# KiCad board px16_regfile.kicad_pcb (continued)
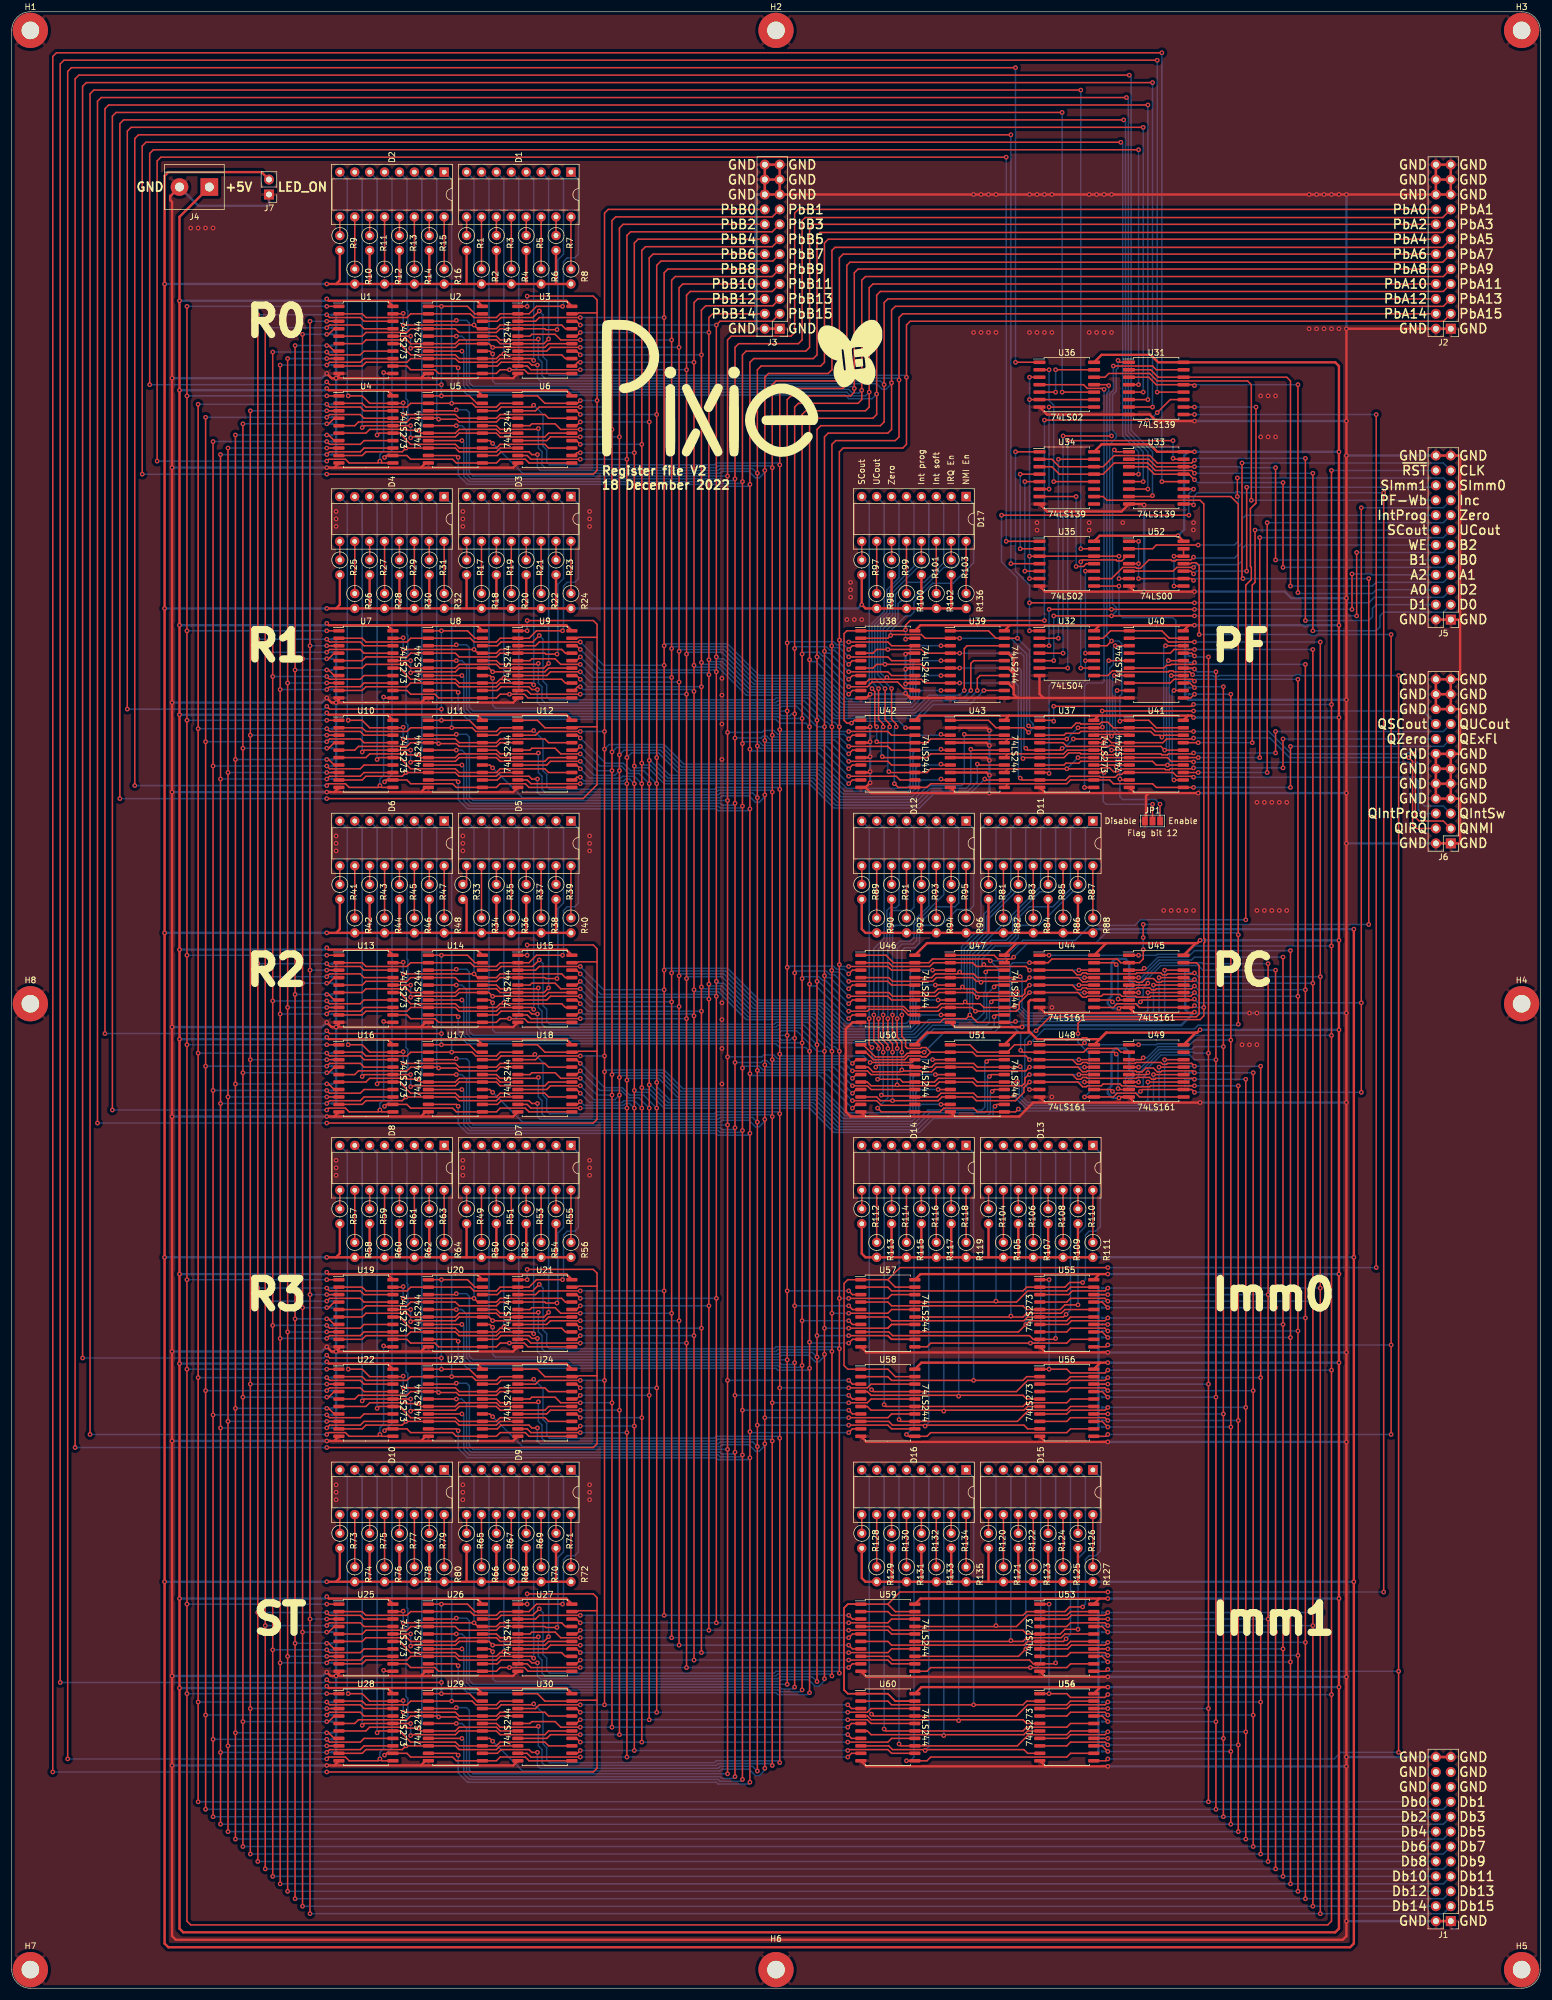
[diagram p0: board, top side]
## Routing (per net, layer and track width the routed paths; a pad name or vN(x,y) marks a point on that pad's centre or on a via; arc(x,y) is an arc through that point) (continued)
/PbA8: length 738.6
  Top w0.25: 80.17,47.62 82.71,47.62 83.35,48.26 88.74,48.26 v1(88.9,48.42) ; 80.17,102.87 82.71,102.87 83.35,103.51 88.71,103.51 v1(88.9,103.7) ; v1(130.81,38.42) v1(130.81,93.66) v1(130.81,102.24) v1(130.81,148.91) v1(130.81,204.15) v1(130.81,214.31) v1(130.81,259.4) 130.81,271.78 131.44,272.42 141.6,272.42 142.24,273.05 142.24,293.37 142.76,293.89 243.72,293.89 J2.11 ; U50.18 153.35,157.64 v1(146.21,157.64) ; v1(88.9,269.56) 88.58,269.24 83.35,269.24 82.71,268.61 80.17,268.61 ; U58.18 146.37,102.87 145.73,102.24 v1(142.56,102.24) ; 80.17,213.36 82.71,213.36 83.35,214 88.74,214 v1(88.9,214.15) ; U42.18 149.86,213.36 149.22,214 v1(142.56,214) ; v1(89.1,159.02) 88.83,158.75 83.35,158.75 82.71,158.12 80.17,158.12
  Bottom w0.25: v1(130.81,148.91) 130.49,149.23 120.02,149.23 119.7,148.91 91.6,148.91 91.12,149.38 91.12,151.45 90.49,152.08 90.49,157.64 v1(89.1,159.02) ; v1(130.81,159.07) 131.13,158.75 145.1,158.75 v1(146.21,157.64) ; v1(142.56,102.24) v1(130.81,102.24) ; v1(130.81,204.15) 130.49,204.47 120.02,204.47 119.7,204.15 91.6,204.15 91.12,204.63 91.12,206.69 90.49,207.33 90.49,212.57 v1(88.9,214.15) ; v1(130.81,214.31) 131.13,214 v1(142.56,214) ; v1(88.9,103.7) 90.49,102.11 90.49,96.84 91.12,96.2 91.12,94.14 91.6,93.66 119.7,93.66 120.02,93.98 130.49,93.98 v1(130.81,93.66) ; v1(88.9,48.42) 90.49,46.83 90.49,41.59 91.12,40.96 91.12,38.89 91.6,38.42 119.7,38.42 120.02,38.74 130.49,38.74 v1(130.81,38.42) ; v1(88.9,269.56) 90.49,267.97 90.49,262.57 91.12,261.94 91.12,259.87 91.6,259.4 119.7,259.4 120.02,259.72 130.49,259.72 v1(130.81,259.4)
/PbA9: length 724.4
  Top w0.25: v1(142.56,99.7) 145.73,99.7 146.37,100.33 U58.16 ; 80.17,100.33 82.56,100.33 83.19,99.7 89.54,99.7 v1(89.7,99.85) ; v1(89.7,155.1) 89.54,154.94 83.19,154.94 82.56,155.58 80.17,155.58 ; J2.12 141.6,295.28 140.97,294.64 140.97,274.32 140.33,273.69 130.17,273.69 129.54,273.05 v1(129.54,258.92) v1(129.54,213.36) v1(129.54,203.68) v1(129.54,148.43) v1(129.54,99.7) v1(129.54,93.19) v1(129.54,37.94) ; 80.17,45.09 82.56,45.09 83.19,44.45 89.54,44.45 v1(89.7,44.61) ; 80.17,266.07 82.56,266.07 83.19,265.43 89.54,265.43 v1(89.7,265.59) ; 153.83,155.58 146.37,155.58 145.73,156.21 v1(143.19,156.21) ; 80.17,210.82 82.56,210.82 83.19,210.19 89.54,210.19 v1(89.7,210.34) ; v1(142.56,211.46) 149.22,211.46 149.86,210.82 U42.16
  Bottom w0.25: v1(129.54,37.94) 129.22,38.26 120.33,38.26 120.02,37.94 90.81,37.94 90.33,38.42 90.33,40.64 89.69,41.28 89.69,44.61 ; v1(129.54,148.43) 129.22,148.75 120.33,148.75 120.02,148.43 90.81,148.43 90.33,148.91 90.33,151.13 89.69,151.77 89.69,155.1 ; 89.69,265.59 89.69,262.25 90.33,261.62 90.33,259.4 90.81,258.92 120.02,258.92 120.33,259.24 129.22,259.24 v1(129.54,258.92) ; 89.69,99.85 89.69,96.52 90.33,95.89 90.33,93.66 90.81,93.19 120.02,93.19 120.33,93.5 129.22,93.5 v1(129.54,93.19) ; 89.69,210.34 89.69,207.01 90.33,206.38 90.33,204.15 90.81,203.68 120.02,203.68 120.33,203.99 129.22,203.99 v1(129.54,203.68) ; v1(143.19,156.21) 141.6,157.8 129.86,157.8 v1(129.54,158.12) ; v1(142.56,211.46) 140.97,213.04 129.86,213.04 v1(129.54,213.36) ; v1(142.56,99.7) v1(129.54,99.7)
/PbA10: length 714.3
  Top w0.25: v1(143.19,153.67) 145.73,153.67 146.37,153.04 U50.14 ; v1(81.92,207.8) 81.44,208.28 U11.14 ; U42.14 149.86,208.28 149.22,208.92 v1(142.56,208.92) ; U58.14 149.86,97.79 149.22,97.16 v1(142.56,97.16) ; J2.13 243.72,296.43 140.22,296.43 139.7,295.91 139.7,275.59 139.06,274.96 128.91,274.96 128.27,274.32 v1(128.27,258.45) v1(128.27,212.47) v1(128.27,203.2) v1(128.27,147.96) v1(128.27,97.16) v1(128.27,92.71) v1(128.27,37.47) ; v1(81.92,97.31) 81.44,97.79 U23.14 ; U5.14 81.44,263.53 v1(81.92,263.05) ; 80.17,42.55 81.44,42.55 v1(81.92,42.07) ; v1(81.92,152.56) 81.44,153.04 U17.14
  Bottom w0.25: v1(143.19,153.67) 140.02,156.85 128.65,156.85 v1(128.27,157.22) ; v1(81.92,152.56) 87,147.48 120.65,147.48 120.97,147.8 125.57,147.8 126.68,146.69 127.32,146.69 128.27,147.64 v1(128.27,147.96) ; v1(142.56,208.92) 139.38,212.09 128.65,212.09 v1(128.27,212.47) ; v1(128.27,203.2) 128.27,202.88 127.32,201.93 126.68,201.93 125.57,203.04 120.97,203.04 120.65,202.72 87,202.72 v1(81.92,207.8) ; v1(81.92,263.05) 87,257.97 120.65,257.97 120.97,258.29 125.57,258.29 126.68,257.18 127.32,257.18 128.27,258.13 v1(128.27,258.45) ; v1(81.92,42.07) 87,36.99 120.65,36.99 120.97,37.31 125.57,37.31 126.68,36.2 127.32,36.2 128.27,37.15 v1(128.27,37.47) ; v1(128.27,92.71) 128.27,92.39 127.32,91.44 126.68,91.44 125.57,92.55 120.97,92.55 120.65,92.23 87,92.23 v1(81.92,97.31) ; v1(142.56,97.16) v1(128.27,97.16)
/PbA11: length 711.8
  Top w0.25: v1(89.54,150.65) 88.59,150.65 88.11,151.13 83.35,151.13 82.71,150.5 80.17,150.5 ; U58.12 149.86,95.25 149.22,95.89 v1(142.56,95.89) ; U50.12 153.67,150.34 148.11,150.34 147.32,151.13 v1(143.19,151.13) ; v1(89.54,95.41) 88.59,95.41 88.11,95.89 83.35,95.89 82.71,95.25 80.17,95.25 ; 80.17,205.74 82.71,205.74 83.35,206.38 88.11,206.38 88.59,205.9 v1(89.54,205.9) ; v1(89.54,40.16) 88.59,40.16 88.11,40.64 83.35,40.64 82.71,40.01 80.17,40.01 ; v1(89.54,261.14) 88.59,261.14 88.11,261.62 83.35,261.62 82.71,260.99 80.17,260.99 ; v1(142.56,206.38) 150.65,206.38 151.29,205.74 U42.12 ; v1(127,36.99) v1(127,92.23) v1(127,95.89) v1(127,147.48) v1(127,202.72) v1(127,211.52) v1(127,257.97) 127,275.59 127.64,276.23 137.79,276.23 138.43,276.86 138.43,297.18 139.06,297.82 J2.14
  Bottom w0.25: v1(127,257.97) 126.21,258.76 120.65,258.76 120.33,258.45 90.01,258.45 89.54,258.92 89.54,261.14 ; v1(127,202.72) 126.21,203.52 120.65,203.52 120.33,203.2 90.01,203.2 89.54,203.68 89.54,205.9 ; v1(127,36.99) 126.21,37.78 120.65,37.78 120.33,37.47 90.01,37.47 89.54,37.94 89.54,40.16 ; v1(127,211.52) 127.39,211.14 137.79,211.14 v1(142.56,206.38) ; v1(127,147.48) 126.21,148.27 120.65,148.27 120.33,147.96 90.01,147.96 89.54,148.43 89.54,150.65 ; v1(143.19,151.13) 138.43,155.89 127.39,155.89 v1(127,156.28) ; 89.54,95.41 89.54,93.19 90.01,92.71 120.33,92.71 120.65,93.03 126.21,93.03 v1(127,92.23) ; v1(142.56,95.89) v1(127,95.89)
/PbA12: length 739.4
  Top w0.25: v1(76.04,205.42) 75.72,205.74 U11.9 ; v1(125.73,35.08) v1(125.73,90.33) v1(125.73,94.77) v1(125.73,145.57) v1(125.73,200.82) v1(125.73,210.98) v1(125.73,256.06) 125.73,276.86 126.36,277.5 136.52,277.5 137.16,278.13 137.16,298.45 137.68,298.97 243.72,298.97 J2.15 ; U5.9 75.72,260.99 v1(76.04,260.67) ; v1(143.19,149.86) 143.83,150.5 U50.9 ; U23.9 75.72,95.25 v1(76.04,94.93) ; v1(76.04,150.18) 75.72,150.5 U17.9 ; v1(76.04,39.69) 75.72,40.01 U29.9 ; U58.9 143.19,95.25 v1(142.56,94.62) ; U42.9 143.19,205.74 v1(142.56,205.11)
  Bottom w0.25: v1(142.56,205.11) 137,210.66 126.05,210.66 v1(125.73,210.98) ; v1(76.04,150.18) 76.04,147.16 77.63,145.57 120.02,145.57 120.33,145.26 125.41,145.26 v1(125.73,145.57) ; v1(125.73,200.82) 125.41,200.5 120.33,200.5 120.02,200.82 77.63,200.82 76.04,202.41 v1(76.04,205.42) ; v1(125.73,90.33) 125.41,90.01 120.33,90.01 120.02,90.33 77.63,90.33 76.04,91.92 v1(76.04,94.93) ; v1(76.04,39.69) 76.04,36.67 77.63,35.08 120.02,35.08 120.33,34.77 125.41,34.77 v1(125.73,35.08) ; v1(143.19,149.86) 137.64,155.42 126.05,155.42 v1(125.73,155.73) ; v1(125.73,94.77) 125.89,94.62 v1(142.56,94.62) ; v1(76.04,260.67) 76.04,257.65 77.63,256.06 120.02,256.06 120.33,255.75 125.41,255.75 v1(125.73,256.06)
/PbA13: length 747.1
  Top w0.25: 70.97,42.55 v1(76.68,42.55) ; v1(142.56,207.65) 143.19,208.28 U42.7 ; U50.7 143.83,153.04 v1(143.19,152.4) ; v1(142.56,98.43) 143.19,97.79 U58.7 ; U23.7 v1(76.68,97.79) ; U11.7 v1(76.68,208.28) ; U17.7 v1(76.68,153.04) ; v1(124.46,35.56) v1(124.46,90.81) v1(124.46,98.43) v1(124.46,146.05) v1(124.46,201.3) v1(124.46,211.93) v1(124.46,256.54) 124.46,278.13 125.1,278.77 135.25,278.77 135.89,279.4 135.89,299.72 136.52,300.36 J2.16 ; U5.7 v1(76.68,263.53)
  Bottom w0.25: v1(124.46,156.69) 124.78,157 127.32,157 127.95,156.37 139.22,156.37 v1(143.19,152.4) ; v1(124.46,256.54) 124.14,256.22 120.65,256.22 120.33,256.54 77.95,256.54 76.99,257.49 76.99,263.21 v1(76.68,263.53) ; v1(124.46,211.93) 124.78,212.25 127.32,212.25 127.95,211.61 138.59,211.61 v1(142.56,207.65) ; v1(124.46,146.05) 124.14,145.73 120.65,145.73 120.33,146.05 77.95,146.05 76.99,147 76.99,152.72 v1(76.68,153.04) ; v1(76.68,97.79) 76.99,97.47 76.99,91.76 77.95,90.81 120.33,90.81 120.65,90.49 124.14,90.49 v1(124.46,90.81) ; v1(142.56,98.43) v1(124.46,98.43) ; v1(76.68,208.28) 76.99,207.96 76.99,202.25 77.95,201.3 120.33,201.3 120.65,200.98 124.14,200.98 v1(124.46,201.3) ; v1(76.68,42.55) 76.99,42.23 76.99,36.51 77.95,35.56 120.33,35.56 120.65,35.24 124.14,35.24 v1(124.46,35.56)
/PbA14: length 757.8
  Top w0.25: v1(142.56,100.97) 143.19,100.33 U58.5 ; U42.5 143.19,210.82 v1(142.56,210.19) ; v1(143.19,154.94) 143.83,155.58 U50.5 ; U29.5 v1(75.72,45.09) ; U11.5 v1(75.72,210.82) ; J2.17 243.72,301.51 135.14,301.51 134.62,300.99 134.62,280.67 133.98,280.04 123.83,280.04 123.19,279.4 v1(123.19,257.02) v1(123.19,212.88) v1(123.19,201.77) v1(123.19,146.53) v1(123.19,100.97) v1(123.19,91.28) v1(123.19,36.04) ; U5.5 v1(75.72,266.07) ; U17.5 v1(75.72,155.58) ; U23.5 v1(75.72,100.33)
  Bottom w0.25: v1(123.19,157.64) 127.64,157.64 127.95,157.96 128.59,157.96 129.22,157.32 140.81,157.32 v1(143.19,154.94) ; v1(123.19,91.28) 122.87,90.96 120.97,90.96 120.65,91.28 78.26,91.28 77.47,92.08 77.47,99.54 76.68,100.33 v1(75.72,100.33) ; v1(123.19,201.77) 122.87,201.45 120.97,201.45 120.65,201.77 78.26,201.77 77.47,202.57 77.47,210.03 76.68,210.82 v1(75.72,210.82) ; v1(123.19,146.53) 122.87,146.21 120.97,146.21 120.65,146.53 78.26,146.53 77.47,147.32 77.47,154.78 76.68,155.58 v1(75.72,155.58) ; v1(75.72,266.07) 76.68,266.07 77.47,265.27 77.47,257.81 78.26,257.02 120.65,257.02 120.97,256.7 122.87,256.7 v1(123.19,257.02) ; v1(123.19,212.88) 127.64,212.88 127.95,213.2 128.59,213.2 129.22,212.57 140.18,212.57 v1(142.56,210.19) ; v1(75.72,45.09) 76.68,45.09 77.47,44.29 77.47,36.83 78.26,36.04 120.65,36.04 120.97,35.72 122.87,35.72 v1(123.19,36.04) ; v1(142.56,100.97) v1(123.19,100.97)
/PbA15: length 764.5
  Top w0.25: U50.3 143.83,158.12 v1(143.19,157.48) ; U5.3 75.57,268.61 v1(75.72,268.76) ; v1(142.56,103.51) 143.19,102.87 U58.3 ; v1(75.72,158.27) 75.57,158.12 U17.3 ; v1(121.92,36.51) v1(121.92,91.76) v1(121.92,103.51) v1(121.92,147) v1(121.92,202.25) v1(121.92,213.84) v1(121.92,257.49) 121.92,280.67 122.55,281.31 132.72,281.31 133.35,281.94 133.35,302.26 133.98,302.9 J2.18 ; U42.3 143.19,213.36 v1(142.56,212.73) ; v1(75.72,47.78) 75.57,47.62 70.97,47.62 ; U11.3 75.57,213.36 v1(75.72,213.52) ; U23.3 75.57,102.87 v1(75.72,103.03)
  Bottom w0.25: v1(143.19,157.48) 142.4,158.27 130.45,158.27 129.82,158.91 128.11,158.91 127.79,158.59 v1(121.92,158.59) ; v1(121.92,257.49) 78.58,257.49 77.95,258.13 77.95,268.29 77.47,268.76 v1(75.72,268.76) ; v1(121.92,91.76) 78.58,91.76 77.95,92.39 77.95,102.55 77.47,103.03 v1(75.72,103.03) ; v1(75.72,47.78) 77.47,47.78 77.95,47.31 77.95,37.15 78.58,36.51 v1(121.92,36.51) ; v1(121.92,213.84) 127.79,213.84 128.11,214.15 129.82,214.15 130.45,213.52 141.76,213.52 v1(142.56,212.73) ; v1(75.72,213.52) 77.47,213.52 77.95,213.04 77.95,202.88 78.58,202.25 v1(121.92,202.25) ; v1(75.72,158.27) 77.47,158.27 77.95,157.8 77.95,147.64 78.58,147 v1(121.92,147) ; v1(142.56,103.51) v1(121.92,103.51)
/PbB0: length 516.9
  Top w0.25: 153.82,62.87 149.86,62.87 149.22,62.23 v1(142.56,62.23) ; U47.18 166.21,173.36 v1(165.89,173.04) ; U39.18 162.72,228.6 162.24,228.12 v1(162.24,220.98) ; 95.41,62.87 96.2,62.87 v1(96.84,62.23) ; U21.18 96.2,118.11 v1(96.84,117.48) ; v1(120.02,62.23) v1(120.02,117.48) v1(120.02,224.16) v1(120.02,226.7) v1(120.02,283.21) 120.65,283.85 129.54,283.85 J3.3 ; v1(96.84,172.72) 96.2,173.36 U15.18 ; U9.18 96.2,228.6 v1(96.84,227.97) ; U3.18 96.2,283.85 v1(96.84,283.21)
  Bottom w0.25: v1(96.84,117.48) v1(120.02,117.48) ; v1(120.02,171.45) 120.33,171.13 121.29,171.13 126.05,166.37 137,166.37 140.97,162.4 153.67,162.4 156.21,164.94 164.47,164.94 165.6,166.08 165.6,169.57 165.89,169.86 v1(165.89,173.04) ; v1(162.24,220.98) 161.45,220.19 156.21,220.19 153.67,217.65 140.97,217.65 137,221.62 126.05,221.62 121.29,226.38 120.33,226.38 v1(120.02,226.7) ; v1(120.02,168.91) 119.7,169.23 100.33,169.23 v1(96.84,172.72) ; v1(96.84,227.97) 100.33,224.47 119.7,224.47 v1(120.02,224.16) ; v1(142.56,62.23) v1(120.02,62.23) v1(96.84,62.23) ; v1(96.84,283.21) v1(120.02,283.21)
/PbB1: length 509.7
  Top w0.25: 128.27,285.12 119.38,285.12 118.75,284.48 v1(118.75,281.94) v1(118.75,223.68) v1(118.75,116.21) v1(118.75,60.96) ; U15.16 96.2,170.82 v1(96.84,171.45) ; U21.16 96.2,115.57 v1(96.84,116.21) ; v1(142.56,60.96) 149.22,60.96 149.86,60.33 U59.16 ; v1(167.32,170.5) 167.64,170.82 U47.16 ; U39.16 163.83,226.06 163.35,225.58 v1(163.35,220.98) ; v1(96.84,60.96) 96.2,60.33 U27.16 ; U9.16 96.2,226.06 v1(96.84,226.7) ; 95.41,281.31 96.2,281.31 v1(96.84,281.94)
  Bottom w0.25: v1(96.84,226.7) 99.54,224 118.43,224 v1(118.75,223.68) ; v1(96.84,281.94) v1(118.75,281.94) ; v1(142.56,60.96) v1(118.75,60.96) v1(96.84,60.96) ; v1(163.35,220.98) 162.08,219.71 156.53,219.71 153.99,217.17 140.65,217.17 136.68,221.14 125.73,221.14 120.97,225.9 119.06,225.9 v1(118.75,226.22) ; v1(118.75,168.43) 118.43,168.75 99.54,168.75 v1(96.84,171.45) ; v1(167.32,170.5) 166.05,169.23 166.05,165.26 165.26,164.47 156.53,164.47 153.99,161.93 140.65,161.93 136.68,165.89 125.73,165.89 120.97,170.66 119.06,170.66 v1(118.75,170.97) ; v1(96.84,116.21) v1(118.75,116.21)
/PbB2: length 511.5
  Top w0.25: v1(164.47,220.98) 164.47,223.04 164.94,223.52 U39.14 ; v1(142.56,57.15) 149.22,57.15 149.86,57.79 153.82,57.79 ; v1(96.84,222.89) 96.2,223.52 U9.14 ; U3.14 96.2,278.77 v1(96.84,278.13) ; v1(96.84,167.64) 96.2,168.28 U15.14 ; J3.5 129.63,286.48 118.2,286.48 117.48,285.75 v1(117.48,278.13) v1(117.48,225.74) v1(117.48,221.62) v1(117.48,112.4) v1(117.48,57.15) ; 95.41,57.79 96.2,57.79 v1(96.84,57.15) ; U47.14 167.16,168.28 v1(166.85,167.96) ; v1(96.84,112.4) 96.2,113.03 U21.14
  Bottom w0.25: v1(96.84,167.64) 98.11,166.37 v1(117.48,166.37) ; v1(166.85,167.96) 166.53,167.64 166.53,164.47 166.05,163.99 156.84,163.99 154.3,161.45 140.33,161.45 136.37,165.42 125.41,165.42 120.65,170.18 117.79,170.18 v1(117.48,170.5) ; v1(96.84,112.4) v1(117.48,112.4) ; v1(117.48,225.74) 117.79,225.43 120.65,225.43 125.41,220.66 136.37,220.66 140.33,216.69 154.3,216.69 156.84,219.23 162.72,219.23 v1(164.47,220.98) ; v1(142.56,57.15) v1(117.48,57.15) v1(96.84,57.15) ; v1(96.84,222.89) 96.85,222.89 98.12,221.62 v1(117.48,221.62) ; v1(96.84,278.13) v1(117.48,278.13)
/PbB3: length 505.4
  Top w0.25: U39.12 v1(165.58,220.98) ; v1(96.84,55.88) 96.2,55.25 95.41,55.25 ; v1(96.84,111.13) 96.2,110.49 U21.12 ; v1(96.84,166.37) 96.2,165.74 U15.12 ; v1(142.56,55.88) 149.22,55.88 149.86,55.25 153.82,55.25 ; U3.12 95.76,276.23 96.39,276.86 v1(96.84,276.86) ; v1(96.84,221.62) 96.39,221.62 95.76,220.98 U9.12 ; 116.2,55.72 v1(116.2,225.27) 116.2,276.7 ; v1(116.2,276.86) 116.2,287.02 116.84,287.66 128.27,287.66 ; U47.12 167.64,165.74 v1(167.32,165.42)
  Bottom w0.25: v1(96.84,111.13) v1(116.2,111.13) ; v1(116.2,170.02) 116.52,169.7 120.33,169.7 125.1,164.94 136.05,164.94 140.02,160.97 154.62,160.97 157,163.35 166.85,163.35 167.32,163.83 v1(167.32,165.42) ; v1(96.84,276.86) v1(116.2,276.86) ; v1(116.2,220.82) 115.89,221.14 97.31,221.14 v1(96.84,221.62) ; v1(165.58,220.98) 163.19,218.6 157,218.6 154.62,216.22 140.02,216.22 136.05,220.19 125.1,220.19 120.33,224.95 116.52,224.95 v1(116.2,225.27) ; v1(142.56,55.88) v1(116.2,55.88) v1(96.84,55.88) ; v1(96.84,166.37) 97.31,165.89 115.89,165.89 v1(116.2,165.58)
/PbB4: length 527
  Top w0.25: U9.9 87.79,220.98 88.42,220.35 v1(96.84,220.35) ; U21.9 87.79,110.49 88.42,109.86 v1(96.84,109.86) ; v1(96.84,54.61) 88.42,54.61 87.79,55.25 86.2,55.25 ; U3.9 87.79,276.23 88.42,275.59 v1(96.84,275.59) ; U15.9 87.79,165.74 88.42,165.1 v1(96.84,165.1) ; 144.62,55.25 143.19,55.25 v1(142.56,54.61) ; U47.9 v1(158.27,165.74) ; v1(114.94,54.61) v1(114.94,109.86) v1(114.94,165.1) v1(114.94,220.35) v1(114.94,227.17) v1(114.94,275.59) 114.94,288.29 115.57,288.93 129.54,288.93 J3.7 ; U39.9 v1(158.27,220.98)
  Bottom w0.25: v1(114.94,171.93) 115.25,172.24 120.97,172.24 126.36,166.85 137.32,166.85 141.29,162.88 153.35,162.88 154.46,163.99 154.46,165.26 154.94,165.74 v1(158.27,165.74) ; v1(96.84,220.35) v1(114.94,220.35) ; v1(96.84,109.86) v1(114.94,109.86) ; v1(96.84,54.61) v1(114.94,54.61) v1(142.56,54.61) ; v1(114.94,227.17) 115.25,227.49 120.97,227.49 126.36,222.09 137.32,222.09 141.29,218.12 153.35,218.12 154.46,219.23 154.46,220.5 154.94,220.98 v1(158.27,220.98) ; v1(96.84,165.1) v1(114.94,165.1) ; v1(96.84,275.59) v1(114.94,275.59)
/PbB5: length 525.9
  Top w0.25: v1(96.84,224.16) 91.76,224.16 91.12,223.52 U9.7 ; U21.7 91.12,113.03 91.76,113.67 v1(96.84,113.67) ; v1(96.84,168.91) 91.76,168.91 91.12,168.28 U15.7 ; v1(113.67,58.42) v1(113.67,113.67) v1(113.67,222.41) v1(113.67,279.4) 113.67,289.56 114.3,290.2 128.27,290.2 ; U39.7 v1(158.27,223.52) ; 144.62,57.79 143.19,57.79 v1(142.56,58.42) ; 86.2,57.79 91.12,57.79 91.76,58.42 v1(96.84,58.42) ; U3.7 91.12,278.77 91.76,279.4 v1(96.84,279.4) ; U47.7 v1(157.8,168.28)
  Bottom w0.25: v1(157.8,168.28) 154.46,168.28 153.99,167.8 153.99,164.31 153.03,163.35 141.6,163.35 137.64,167.32 126.68,167.32 121.29,172.72 113.98,172.72 v1(113.67,172.4) ; v1(96.84,58.42) v1(113.67,58.42) v1(142.56,58.42) ; v1(113.67,222.41) 98.58,222.41 v1(96.84,224.16) ; v1(96.84,279.4) v1(113.67,279.4) ; v1(113.67,167.16) 98.58,167.16 v1(96.84,168.91) ; v1(113.67,227.65) 113.98,227.97 121.29,227.97 126.68,222.57 137.64,222.57 141.6,218.6 153.03,218.6 153.99,219.55 153.99,223.04 154.46,223.52 v1(158.27,223.52) ; v1(96.84,113.67) v1(113.67,113.67)
/PbB6: length 533.7
  Top w0.25: v1(96.84,114.94) 93.5,114.94 92.55,115.89 88.58,115.89 88.27,115.57 U21.5 ; v1(96.84,280.67) 93.5,280.67 92.55,281.62 88.58,281.62 88.27,281.31 86.2,281.31 ; U47.5 v1(157.32,170.82) ; U15.5 88.27,170.82 88.58,171.13 92.55,171.13 93.5,170.18 v1(96.84,170.18) ; v1(112.39,59.69) v1(112.39,114.94) v1(112.39,223.2) v1(112.39,228.12) v1(112.39,280.67) 112.39,290.83 113.03,291.47 129.54,291.47 J3.9 ; v1(96.84,225.43) 93.5,225.43 92.55,226.38 88.58,226.38 88.27,226.06 U9.5 ; v1(96.84,59.69) 93.5,59.69 92.55,60.64 88.58,60.64 88.27,60.33 U27.5 ; v1(142.56,59.69) 143.19,60.33 U59.5 ; U39.5 v1(158.27,226.06)
  Bottom w0.25: v1(112.39,228.12) 112.71,228.44 121.6,228.44 127,223.04 137.95,223.04 141.92,219.08 152.72,219.08 153.51,219.87 153.51,225.58 153.99,226.06 v1(158.27,226.06) ; v1(96.84,114.94) v1(112.39,114.94) ; v1(112.39,172.88) 112.71,173.2 121.6,173.2 127,167.8 137.95,167.8 141.92,163.83 152.72,163.83 153.51,164.62 153.51,170.34 153.99,170.82 v1(157.32,170.82) ; v1(142.56,59.69) v1(112.39,59.69) v1(96.84,59.69) ; v1(112.39,223.2) 99.06,223.2 v1(96.84,225.43) ; v1(112.39,167.96) 99.06,167.96 v1(96.84,170.18) ; v1(96.84,280.67) v1(112.39,280.67)
/PbB7: length 531.3
  Top w0.25: v1(96.84,173.99) 89.85,173.99 89.22,173.36 U15.3 ; U3.3 89.22,283.85 89.85,284.48 v1(96.84,284.48) ; v1(96.84,118.75) 89.85,118.75 89.22,118.11 U21.3 ; 86.2,62.87 89.22,62.87 89.85,63.5 v1(96.84,63.5) ; U9.3 89.22,228.6 89.85,229.24 v1(96.84,229.24) ; 144.62,62.87 143.19,62.87 v1(142.56,63.5) ; U47.3 v1(156.84,173.36) ; v1(111.13,63.5) v1(111.13,118.75) v1(111.13,225.27) v1(111.13,228.6) v1(111.13,284.48) 111.13,292.1 111.76,292.74 128.27,292.74 ; U39.3 v1(158.27,228.6)
  Bottom w0.25: v1(158.27,228.6) 153.51,228.6 153.03,228.12 153.03,220.19 152.4,219.55 142.24,219.55 138.27,223.52 127.32,223.52 121.92,228.92 111.44,228.92 v1(111.13,228.6) ; v1(111.13,173.36) 111.44,173.67 121.92,173.67 127.32,168.28 138.27,168.28 142.24,164.31 152.4,164.31 153.03,164.94 153.03,172.88 153.51,173.36 v1(156.84,173.36) ; v1(96.84,284.48) v1(111.13,284.48) ; v1(96.84,229.24) 100.81,225.27 v1(111.13,225.27) ; v1(96.84,63.5) v1(111.13,63.5) v1(142.56,63.5) ; v1(111.13,170.02) 100.81,170.02 v1(96.84,173.99) ; v1(96.84,118.75) v1(111.13,118.75)
/PbB8: length 535.8
  Top w0.25: U51.18 166.37,158.12 v1(166.05,157.8) ; v1(142.4,46.99) 145.73,46.99 146.37,47.62 153.82,47.62 ; U18.18 96.2,158.12 v1(96.84,157.48) ; 95.41,47.62 96.2,47.62 v1(96.84,46.99) ; v1(109.86,46.99) v1(109.86,102.24) v1(109.86,205.11) v1(109.86,209.55) v1(109.86,267.97) 109.86,293.37 110.58,294.1 129.63,294.1 J3.11 ; U24.18 96.2,102.87 v1(96.84,102.24) ; U12.18 96.36,213.36 v1(96.84,212.88) ; U6.18 96.2,268.61 v1(96.84,267.97) ; U43.18 162.4,213.36 v1(162.24,213.52)
  Bottom w0.25: v1(96.84,212.88) 101.12,208.6 104.14,208.6 105.41,207.33 107.63,207.33 v1(109.86,205.11) ; v1(96.84,46.99) v1(109.86,46.99) v1(142.4,46.99) ; v1(109.86,209.55) 109.86,208.76 112.08,206.53 136.84,206.53 140.97,202.41 153.67,202.41 156.05,204.79 161.77,204.79 162.24,205.26 v1(162.24,213.52) ; v1(109.86,154.24) 109.86,153.51 112.08,151.29 136.84,151.29 140.97,147.16 153.67,147.16 156.05,149.54 165.26,149.54 165.73,150.02 165.73,157.48 v1(166.05,157.8) ; v1(96.84,102.24) v1(109.86,102.24) ; v1(96.84,157.48) 100.97,153.35 103.98,153.35 105.25,152.08 107.63,152.08 v1(109.86,149.86) ; v1(96.84,267.97) v1(109.86,267.97)
/PbB9: length 527.8
  Top w0.25: 128.27,295.28 109.22,295.28 108.58,294.64 v1(108.58,266.7) v1(108.58,209.07) v1(108.58,205.11) v1(108.58,100.97) v1(108.58,45.72) ; v1(96.84,266.7) 96.2,266.07 U6.16 ; U60.16 146.37,45.09 145.73,45.72 v1(142.4,45.72) ; v1(96.84,156.21) 96.2,155.58 U18.16 ; v1(96.84,100.97) 96.2,100.33 U24.16 ; U51.16 166.85,155.58 v1(166.53,155.26) ; v1(96.84,45.72) 96.2,45.09 U30.16 ; v1(163.35,210.98) 163.51,210.82 U43.16 ; U12.16 96.2,210.82 v1(96.84,211.46)
  Bottom w0.25: v1(163.35,210.98) 163.35,205.11 162.56,204.31 156.37,204.31 153.99,201.93 140.65,201.93 136.52,206.06 111.76,206.06 108.74,209.07 v1(108.58,209.07) ; v1(166.53,155.26) 166.21,154.94 166.21,149.54 165.73,149.07 156.37,149.07 153.99,146.69 140.65,146.69 136.52,150.81 111.76,150.81 108.74,153.83 v1(108.58,153.83) ; v1(96.84,100.97) v1(108.58,100.97) ; v1(96.84,156.21) 100.17,152.88 103.82,152.88 105.09,151.61 106.84,151.61 v1(108.58,149.86) ; v1(96.84,211.46) 100.17,208.12 103.82,208.12 105.09,206.85 106.84,206.85 v1(108.58,205.11) ; v1(96.84,45.72) v1(108.58,45.72) v1(142.4,45.72) ; v1(96.84,266.7) v1(108.58,266.7)
/PbB10: length 527.5
  Top w0.25: v1(96.84,97.16) 96.2,97.79 U24.14 ; v1(96.84,207.65) 96.2,208.28 U12.14 ; v1(96.84,262.89) 96.2,263.53 U6.14 ; U43.14 164.62,208.28 v1(164.47,208.44) ; v1(96.84,41.91) 96.2,42.55 95.41,42.55 ; v1(142.4,41.91) 149.22,41.91 149.86,42.55 153.82,42.55 ; J3.13 129.54,296.55 107.95,296.55 107.32,295.91 v1(107.32,262.89) v1(107.32,208.6) v1(107.32,205.11) v1(107.32,97.16) v1(107.32,41.91) ; v1(167,152.72) 167.32,153.04 U51.14 ; v1(96.84,152.4) 96.2,153.04 U18.14
  Bottom w0.25: v1(96.84,97.16) v1(107.32,97.16) ; v1(107.32,149.86) 106.05,151.13 104.3,151.13 103.98,150.81 98.42,150.81 v1(96.84,152.4) ; v1(164.47,208.44) 164.47,205.42 162.88,203.84 156.69,203.84 154.3,201.45 140.33,201.45 136.21,205.58 111.44,205.58 108.74,208.28 107.63,208.28 v1(107.32,208.6) ; v1(96.84,41.91) v1(107.32,41.91) v1(142.4,41.91) ; v1(167,152.72) 166.69,152.4 166.69,149.07 166.21,148.59 156.69,148.59 154.3,146.21 140.33,146.21 136.21,150.34 111.44,150.34 108.74,153.04 107.63,153.04 v1(107.32,153.35) ; v1(107.32,205.11) 106.05,206.38 104.05,206.38 103.74,206.06 98.42,206.06 v1(96.84,207.65) ; v1(96.84,262.89) v1(107.32,262.89)
/PbB11: length 519.7
  Top w0.25: v1(106.05,40.48) v1(106.05,95.73) v1(106.05,205.11) v1(106.05,208.12) v1(106.05,261.46) 106.05,297.18 106.68,297.82 128.27,297.82 ; U43.12 165.89,205.74 v1(165.73,205.9) ; U6.12 95.76,260.99 96.23,261.46 v1(96.84,261.46) ; v1(96.84,150.97) 96.36,150.5 U18.12 ; U30.12 96.36,40.01 v1(96.84,40.48) ; U12.12 95.76,205.74 96.23,206.22 v1(96.84,206.22) ; v1(142.4,40.48) 142.56,40.64 149.22,40.64 149.86,40.01 U60.12 ; v1(96.84,95.73) 96.36,95.25 U24.12 ; v1(167.48,150.18) 167.8,150.5 U51.12
  Bottom w0.25: v1(96.84,95.73) v1(106.05,95.73) ; v1(142.4,40.48) v1(106.05,40.48) v1(96.84,40.48) ; v1(106.05,208.12) 106.36,207.8 108.43,207.8 111.13,205.11 135.89,205.11 140.02,200.98 154.62,200.98 157,203.36 163.19,203.36 165.73,205.89 v1(165.73,205.9) ; 98.11,150.34 97.47,150.34 v1(96.84,150.97) ; v1(96.84,261.46) v1(106.05,261.46) ; v1(167.48,150.18) 167.16,149.86 167.16,148.59 166.69,148.11 157,148.11 154.62,145.73 140.02,145.73 135.89,149.86 111.13,149.86 108.43,152.56 106.36,152.56 v1(106.05,152.88) ; v1(106.05,149.86) 105.25,150.65 104.54,150.65 104.23,150.34 98.11,150.34 ; v1(106.05,205.11) 105.25,205.9 104.54,205.9 104.23,205.58 97.47,205.58 v1(96.84,206.22)
/PbB12: length 540.9
  Top w0.25: U43.9 158.43,205.74 v1(158.27,205.9) ; U18.9 87.79,150.5 88.42,149.86 v1(96.84,149.86) ; J3.15 129.54,299.09 105.41,299.09 104.77,298.45 v1(104.77,260.35) v1(104.77,209.55) v1(104.77,205.11) v1(104.77,149.86) v1(104.77,94.62) v1(104.77,39.37) ; U6.9 87.79,260.99 88.42,260.35 v1(96.84,260.35) ; U12.9 87.79,205.74 88.42,205.11 v1(96.84,205.11) ; U24.9 87.79,95.25 88.42,94.62 v1(96.84,94.62) ; v1(96.84,39.37) 88.42,39.37 87.79,40.01 U30.9 ; U60.9 143.03,40.01 v1(142.4,39.37) ; U51.9 v1(158.27,150.5)